# KiCad board keyboard0 - SK6812.kicad_pcb (continued)
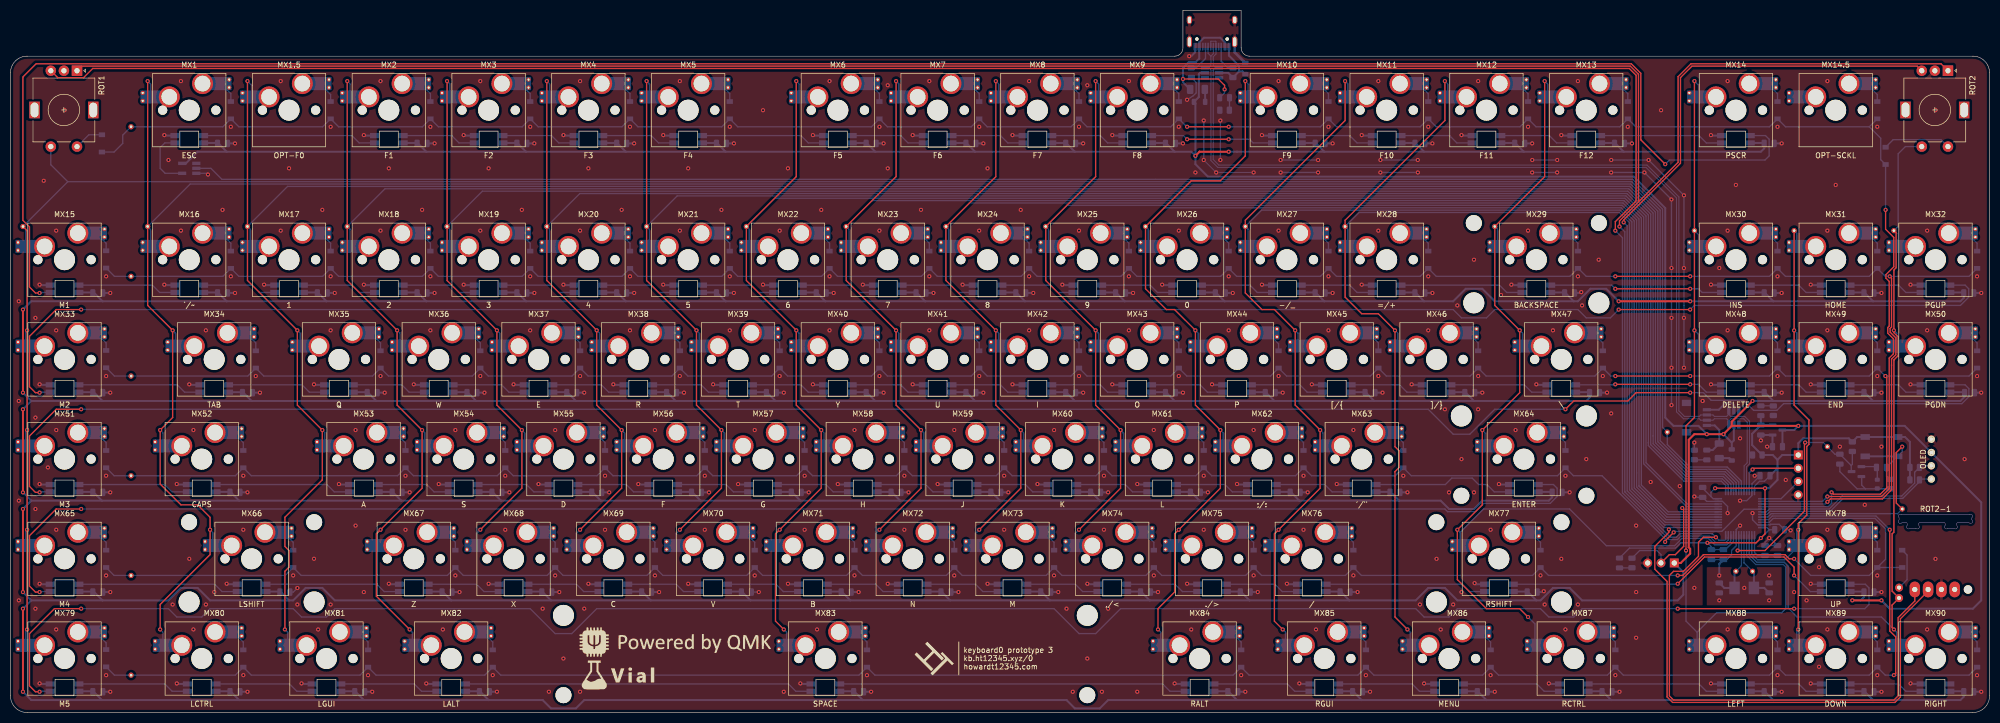
[diagram p0: board, top side]
## Routing (per net, layer and track width the routed paths; a pad name or vN(x,y) marks a point on that pad's centre or on a via; arc(x,y) is an arc through that point) (continued)
GND: length 577
  Bottom w0.2: v1(237.32,103.18) v1(230.17,103.18) v1(227.79,105.56)
  Bottom w0.25: v1(249.62,105.56) v1(242.48,105.56) ; v1(268.67,105.56) v1(261.52,105.56) ; v1(268.67,103.18) v1(261.52,103.18) ; LC70.1 v1(142.87,23.02) ; 353.4,45.08 353.4,43.45 354.11,42.74 ; v1(305.57,105.56) v1(312.72,105.56) v1(319.46,98.82) v1(319.46,84.93) v1(319.46,65.88) ; v1(305.57,103.18) v1(311.92,103.18) v1(317.08,98.02) v1(317.08,84.93) v1(317.08,65.88) v1(317.08,58.73) ; R8.1 v1(321.45,51.59) ; C4.2 349.23,46.03 352.52,42.74 354.11,42.74 ; U14.35 332.43,41.46 331.45,40.48 v1(330.18,40.48) ; v1(330.18,35.72) 329.43,34.97 U14.8 329.43,31.84 328.57,30.98 328.57,30.14 327.64,29.21 C23.1 C24.2 ; R13.2 226.34,120.4 226.34,118.39 225.81,117.86 v1(224.62,117.07) ; 354.11,42.74 R6.2 ; v1(343.67,24.6) 343.77,24.51 LED78.2 ; v1(37.7,102.78) 37.46,103.02 U2.3 ; LC66.1 54,23.02 v1(54.77,23.79) ; v1(290.49,103.18) v1(295.26,103.18) ; v1(321.45,41.27) 321.6,41.12 C19.2 323.8,40.35 U14.23 326.82,40.35 327.8,39.37 v1(327.8,38.1) ; v1(227.79,105.56) v1(227.79,113.11) ; v1(249.62,103.18) v1(242.48,103.18) ; v1(295.26,105.56) v1(290.49,105.56) ; 332.45,42.75 332.45,43.7 C20.2 v1(332.96,45.24) ; v1(332.56,38.1) 332.56,36.83 333.54,35.85 U14.47 335.9,35.85 336.02,35.97 337.64,35.97 C22.2 339.71,34.92 v1(339.82,34.81) ; v1(230.97,105.56) v1(230.97,113.1) ; 334.94,32.54 v1(335.74,33.34) 335.89,33.34 C21.2 C18.2 334.94,32.54
  Bottom w0.381: LC33.1 v1(19.05,61.11) ; v1(257.95,110.32) 258.05,110.23 LED11.2 ; LED5.2 124.7,110.23 v1(124.61,110.32) ; 234.54,122.49 235.21,122.49 FB5.1 ; 234.54,122.49 R12.2 232.45,122.23 U1.2 ; 234.54,122.49 234.54,123.58 232.6,125.52 USB1.12 ; LC8.1 v1(204.77,108.74) ; LC16.1 v1(42.86,80.16) ; LC44.1 v1(242.87,61.11) ; LC27.1 v1(252.4,80.16) ; LED73.2 186.61,24.51 v1(186.52,24.6) ; LC6.1 v1(166.68,108.74) ; LED40.2 153.28,62.61 v1(153.18,62.7) ; LED64.2 284.24,43.56 v1(284.14,43.65) ; v1(234.14,43.65) 234.24,43.56 LED62.2 ; LED58.2 158.04,43.56 v1(157.95,43.65) ; v1(362.72,81.75) 362.81,81.66 LED32.2 ; LC2.1 v1(80.96,108.74) ; LC54.1 v1(95.24,42.07) ; C23.1 326.21,28.42 v1(326.21,26.19) ; LED50.2 362.81,62.61 v1(362.72,62.7) ; LC1.1 v1(42.86,108.74) ; v1(96.04,62.7) 96.13,62.61 LED37.2 ; LC26.1 v1(233.35,80.16) ; LC82.1 v1(92.86,3.97) ; LC39.1 v1(147.63,61.11) ; LED88.2 324.72,5.46 v1(324.62,5.56) ; v1(334.15,51.99) C44.2 U12.1 ; LED70.2 129.47,24.51 v1(129.37,24.6) ; LED76.2 243.76,24.51 v1(243.67,24.6) ; LED79.2 5.65,5.46 v1(5.56,5.56) ; LC52.1 v1(45.24,42.07) ; LED16.2 29.46,81.66 v1(29.37,81.75) ; LED72.2 167.56,24.51 v1(167.47,24.6) ; LC50.1 v1(376.21,61.11) ; LED56.2 119.94,43.56 v1(119.85,43.65) ; LED85.2 246.14,5.46 v1(246.05,5.56) ; LC71.1 v1(161.91,23.02) ; LED27.2 239,81.66 v1(238.9,81.75) ; v1(115.09,62.7) 115.18,62.61 LED38.2 ; LC55.1 v1(114.29,42.07) ; v1(55.56,5.56) 55.65,5.46 LED81.2 ; LED17.2 48.51,81.66 v1(48.42,81.75) ; LC5.1 v1(138.1,108.74) ; LC7.1 v1(185.73,108.74) ; LC60.1 v1(209.54,42.07) ; LC23.1 v1(176.2,80.16) ; v1(248.43,62.7) 248.52,62.61 LED45.2 ; LED24.2 181.85,81.66 v1(181.76,81.75) ; v1(277,110.32) 277.1,110.23 LED12.2 ; v1(177,43.65) 177.09,43.56 LED59.2 ; v1(172.23,110.32) 172.33,110.23 LED7.2 ; LED41.2 172.33,62.61 v1(172.23,62.7) ; LC59.1 v1(190.49,42.07) ; v1(76.99,62.7) 77.08,62.61 LED36.2 ; LC36.1 v1(90.48,61.11) ; LC22.1 v1(157.15,80.16) ; LC78.1 v1(357.16,23.02) ; v1(343.67,62.7) 343.77,62.61 LED49.2 ; LED8.2 191.38,110.23 v1(191.28,110.32) ; v1(72.23,24.6) 72.32,24.51 LED67.2 ; LC62.1 v1(247.63,42.07) ; v1(222.24,5.56) 222.33,5.46 LED84.2 ; v1(343.67,5.56) 343.77,5.46 LED89.2 ; v1(124.61,81.75) 124.7,81.66 LED21.2 ; LC72.1 v1(180.96,23.02) ; LC14.1 v1(338.12,108.74) ; v1(210.33,110.32) 210.42,110.23 LED9.2 ; J2.4 326.12,57.85 327.4,59.13 328.59,59.13 328.99,58.73 U3.2 ; LC83.1 v1(164.3,3.97) ; LC45.1 v1(261.92,61.11) ; LC74.1 v1(219.06,23.02) ; LC29.1 299.7,80.16 v1(299.86,80.33) ; v1(110.32,24.6) 110.42,24.51 LED69.2 ; LED44.2 229.47,62.61 v1(229.38,62.7) ; LC32.1 v1(376.21,80.16) ; LED65.2 5.65,24.51 v1(5.56,24.6) ; v1(362.72,5.56) 362.81,5.46 LED90.2 ; LED57.2 138.99,43.56 v1(138.9,43.65) ; v1(29.37,110.32) 29.46,110.23 LED1.2 ; v1(267.48,62.7) 267.57,62.61 LED46.2 ; v1(5.56,62.7) 5.65,62.61 LED33.2 ; LED83.2 150.9,5.46 v1(150.8,5.56) ; LC49.1 v1(357.16,61.11) ; LED86.2 269.95,5.46 v1(269.86,5.56) ; v1(41.27,24.6) 41.37,24.51 LED66.2 ; LED42.2 191.38,62.61 v1(191.28,62.7) ; LED55.2 100.89,43.56 v1(100.8,43.65) ; v1(292.71,23.18) 292.55,23.02 LC77.1 ; LED77.2 279.71,24.51 v1(279.5,24.72) ; LC85.1 v1(259.54,3.97) ; LED60.2 196.14,43.56 v1(196.04,43.65) ; LED63.2 253.28,43.56 v1(253.19,43.65) ; v1(324.62,110.32) 324.72,110.23 LED14.2 ; LED20.2 105.66,81.66 v1(105.56,81.75) ; LC17.1 v1(61.91,80.16) ; v1(31.75,43.65) 31.84,43.56 LED52.2 ; LC42.1 v1(204.77,61.11) ; v1(162.71,81.75) 162.8,81.66 LED23.2 ; v1(86.51,81.75) 86.61,81.66 LED19.2 ; LED6.2 153.28,110.23 v1(153.18,110.32) ; LED28.2 258.05,81.66 v1(257.95,81.75) ; LED68.2 91.37,24.51 v1(91.28,24.6) ; LC28.1 v1(271.45,80.16) ; LC51.1 v1(19.05,42.07) ; v1(224.62,24.6) 224.71,24.51 LED75.2 ; v1(105.56,110.32) 105.66,110.23 LED4.2 ; LC47.1 v1(304.78,61.11) ; LED47.2 291.38,62.61 v1(291.29,62.7) ; LC37.1 v1(109.53,61.11) ; LED34.2 34.22,62.61 v1(34.13,62.7) ; LED10.2 239,110.23 v1(238.9,110.32) ; LED43.2 210.42,62.61 v1(210.33,62.7) ; LC19.1 v1(100.01,80.16) ; LC13.1 v1(309.54,108.74) ; LC76.1 v1(257.16,23.02) ; LC56.1 v1(133.34,42.07) ; LED2.2 67.56,110.23 v1(67.46,110.32) ; LC68.1 v1(104.77,23.02) ; v1(225.01,125.4) 225.41,125.4 226.15,126.15 USB1.1 ; LC21.1 v1(138.1,80.16) ; v1(335.34,50.8) C43.2 336.37,53.01 ; LC73.1 v1(200.01,23.02) ; LED39.2 134.23,62.61 v1(134.14,62.7) ; v1(205.57,24.6) 205.66,24.51 LED74.2 ; LC87.1 v1(307.16,3.97) ; v1(324.62,81.75) 324.72,81.66 LED30.2 ; LC84.1 v1(235.73,3.97) ; LC20.1 v1(119.05,80.16) ; LC89.1 v1(357.16,3.97) ; LC4.1 v1(119.05,108.74) ; LC40.1 v1(166.68,61.11) ; LED31.2 343.77,81.66 v1(343.67,81.75) ; LC24.1 v1(195.25,80.16) ; LC3.1 v1(100.01,108.74) ; LC75.1 v1(238.11,23.02) ; LC31.1 v1(357.16,80.16) ; v1(143.66,81.75) 143.75,81.66 LED22.2 ; LC61.1 v1(228.59,42.07) ; LC53.1 v1(76.2,42.07) ; LC41.1 v1(185.73,61.11) ; LED82.2 79.46,5.46 v1(79.37,5.56) ; v1(5.56,43.65) 5.65,43.56 LED51.2 ; v1(219.85,81.75) 219.95,81.66 LED26.2 ; v1(86.51,110.32) 86.61,110.23 LED3.2 ; LC63.1 v1(266.68,42.07) ; v1(81.75,43.65) 81.84,43.56 LED54.2 ; LED29.2 286.62,81.66 v1(286.53,81.75) ; LC38.1 v1(128.58,61.11) ; LED61.2 215.19,43.56 v1(215.09,43.65) ; LC30.1 v1(338.12,80.16) ; LC67.1 v1(85.72,23.02) ; LED15.2 5.65,81.66 v1(5.56,81.75) ; LC81.1 v1(69.05,3.97) ; v1(324.62,62.7) 324.72,62.61 LED48.2 ; LC9.1 v1(223.82,108.74) ; LC48.1 v1(338.12,61.11) ; v1(31.75,5.56) 31.84,5.46 LED80.2 ; v1(200.81,81.75) 200.9,81.66 LED25.2 ; v1(57.94,62.7) 58.03,62.61 LED35.2 ; LC57.1 v1(152.39,42.07) ; LC90.1 v1(376.21,3.97) ; LED87.2 293.76,5.46 v1(293.67,5.56) ; LC58.1 v1(171.44,42.07) ; LC35.1 v1(71.43,61.11) ; LC34.1 v1(47.62,61.11) ; LC46.1 v1(280.97,61.11) ; v1(62.7,43.65) 62.8,43.56 LED53.2 ; LED71.2 148.52,24.51 v1(148.42,24.6) ; LC11.1 v1(271.45,108.74) ; LED13.2 296.14,110.23 v1(296.05,110.32) ; LC86.1 v1(283.35,3.97) ; LC80.1 v1(45.24,3.97) ; LC15.1 v1(19.05,80.16) ; v1(67.46,81.75) 67.56,81.66 LED18.2 ; LC65.1 v1(19.05,23.02) ; LC88.1 v1(338.12,3.97) ; LC18.1 v1(80.96,80.16) ; LC69.1 v1(123.82,23.02) ; LC25.1 v1(214.3,80.16) ; LC12.1 v1(290.49,108.74) ; LC64.1 v1(297.64,42.07) ; LC43.1 v1(223.82,61.11) ; LC79.1 v1(19.05,3.97) ; LC10.1 v1(252.4,108.74)
  vias: v1(1.59,78.58) v1(1.59,59.53) v1(1.59,40.48) v1(1.59,21.43) v1(4.76,75.4) v1(4.76,56.35) v1(4.76,38.89) v1(4.76,19.84) v1(6.35,101.59) v1(7.14,46.83) v1(8.73,92.07) v1(8.73,73.02) v1(8.73,53.97) v1(8.73,34.92) v1(8.73,15.87) v1(10.32,115.09) v1(18.26,83.34) v1(18.26,64.29) v1(18.26,45.24) v1(18.26,26.19) v1(18.26,7.14) v1(30.16,105.56) v1(30.95,20.64) v1(32.54,120.64) v1(32.54,92.07) v1(34.13,29.37) v1(34.92,53.97) v1(34.92,15.87) v1(37.3,73.02) v1(37.3,20.64) v1(38.89,23.02) v1(40.48,96.04) v1(42.07,111.91) v1(42.07,83.34) v1(44.45,45.24) v1(44.45,34.92) v1(44.45,7.14) v1(46.83,64.29) v1(51.59,120.64) v1(51.59,92.07) v1(53.18,103.97) v1(53.97,26.19) v1(54.77,20.64) v1(57.94,29.37) v1(58.73,15.87) v1(59.53,96.04) v1(61.11,111.91) v1(61.11,83.34) v1(61.11,73.02) v1(61.11,20.64) v1(65.88,53.97) v1(65.88,35.72) v1(67.46,23.02) v1(68.26,7.14) v1(70.64,120.64) v1(70.64,92.07) v1(70.64,64.29) v1(72.23,103.97) v1(75.4,45.24) v1(75.4,34.92) v1(78.58,96.04) v1(80.16,111.91) v1(80.16,83.34) v1(80.16,73.02) v1(82.54,15.87) v1(84.93,53.97) v1(84.93,26.19) v1(89.69,120.64) v1(89.69,92.07) v1(89.69,64.29) v1(91.28,103.97) v1(92.07,7.14) v1(94.45,45.24) v1(94.45,34.92) v1(97.63,96.04) v1(99.21,111.91) v1(99.21,83.34) v1(99.21,73.02) v1(101.59,19.84) v1(102.78,3.97) v1(103.97,53.97) v1(103.97,26.19) v1(105.56,10.32) v1(108.74,120.64) v1(108.74,92.07) v1(108.74,64.29) v1(108.74,3.97) v1(109.53,19.84) v1(110.32,103.97) v1(113.5,45.24) v1(113.5,34.92) v1(116.67,96.04) v1(118.26,111.91) v1(118.26,83.34) v1(118.26,73.02) v1(123.02,53.97) v1(123.02,26.19) v1(127.79,120.64) v1(127.79,92.07) v1(127.79,64.29) v1(129.37,103.97) v1(132.55,45.24) v1(132.55,34.92) v1(135.72,96.04) v1(137.31,111.91) v1(137.31,83.34) v1(137.31,73.02) v1(142.07,53.97) v1(142.07,26.19) v1(143.66,115.09) v1(146.83,92.07) v1(146.83,64.29) v1(147.63,3.97) v1(148.42,103.97) v1(151.6,45.24) v1(151.6,34.92) v1(153.98,15.87) v1(154.77,96.04) v1(156.36,120.64) v1(156.36,83.34) v1(156.36,73.02) v1(161.12,53.97) v1(161.12,26.19) v1(163.5,7.14) v1(165.88,111.91) v1(165.88,92.07) v1(165.88,64.29) v1(167.47,119.85) v1(167.47,103.97) v1(170.65,45.24) v1(170.65,34.92) v1(173.82,96.04) v1(175.41,120.64) v1(175.41,83.34) v1(175.41,73.02) v1(180.17,53.97) v1(180.17,26.19) v1(184.93,111.91) v1(184.93,92.07) v1(184.93,64.29) v1(186.52,103.97) v1(189.69,45.24) v1(189.69,34.92) v1(192.87,96.04) v1(194.46,120.64) v1(194.46,83.34) v1(194.46,73.02) v1(199.22,53.97) v1(199.22,26.19) v1(201.6,19.84) v1(202.79,3.97) v1(203.98,111.91) v1(203.98,92.07) v1(203.98,64.29) v1(205.57,119.85) v1(205.57,10.32) v1(208.35,3.97) v1(208.74,45.24) v1(208.74,34.92) v1(209.54,19.84) v1(213.51,120.64) v1(213.51,83.34) v1(213.51,73.02) v1(215.09,3.97) v1(218.27,53.97) v1(218.27,26.19) v1(223.03,111.91) v1(223.03,92.07) v1(223.03,64.29) v1(225.41,15.87) v1(226.2,103.18) v1(227.79,45.24) v1(227.79,34.92) v1(232.55,83.34) v1(232.55,73.02) v1(234.94,7.14) v1(237.32,53.97) v1(237.32,26.19) v1(242.08,120.64) v1(242.08,92.07) v1(242.08,64.29) v1(246.84,45.24) v1(246.84,34.92) v1(249.22,15.87) v1(251.6,111.91) v1(251.6,83.34) v1(251.6,73.02) v1(256.37,53.97) v1(256.37,26.19) v1(258.75,7.14) v1(261.13,120.64) v1(261.13,92.07) v1(261.13,64.29) v1(265.89,45.24) v1(269.06,20.64) v1(270.65,111.91) v1(270.65,83.34) v1(270.65,73.02) v1(272.24,29.37) v1(273.03,15.87) v1(273.83,57.94) v1(274.62,42.07) v1(275.41,20.64) v1(276.21,77.78) v1(277,48.42) v1(277,23.02) v1(279.38,86.51) v1(279.38,42.07) v1(280.18,120.64) v1(280.18,64.29) v1(280.18,57.94) v1(282.56,34.92) v1(282.56,7.14) v1(284.54,79.77) v1(287.32,53.97) v1(289.7,111.91) v1(289.7,92.07) v1(292.08,26.19) v1(292.88,20.64) v1(294.46,73.02) v1(296.05,29.37) v1(296.84,45.24) v1(296.84,15.87) v1(299.22,120.64) v1(299.22,83.34) v1(299.22,20.64) v1(300.02,77.78) v1(300.81,48.42) v1(303.19,86.51) v1(303.99,64.29) v1(305.57,57.15) v1(306.37,7.14) v1(308.75,111.91) v1(310.34,35.72) v1(310.34,23.02) v1(310.34,14.29) v1(313.11,44.05) v1(315.1,115.09) v1(317.08,75.4) v1(318.67,43.26) v1(319.46,75.4) v1(321.45,23.81) v1(323.04,59.53) v1(326.21,84.93) v1(326.21,21.43) v1(327.8,120.64) v1(327.8,92.07) v1(327.8,73.02) v1(327.8,15.87) v1(329.39,100.8) v1(330.18,52.38) v1(330.97,23.81) v1(335.74,26.19) v1(335.74,21.43) v1(337.32,111.91) v1(337.32,83.34) v1(337.32,64.29) v1(337.32,7.14) v1(338.91,44.45) v1(340.5,23.02) v1(342.88,21.43) v1(345.26,27.78) v1(345.26,8.73) v1(346.85,120.64) v1(346.85,92.07) v1(346.85,73.02) v1(346.85,34.92) v1(346.85,15.87) v1(348.43,100.8) v1(349.23,50.8) v1(353.99,39.69) v1(356.37,111.91) v1(356.37,64.29) v1(356.37,26.19) v1(356.37,7.14) v1(357.16,50.8) v1(365.9,92.07) v1(365.9,73.02) v1(365.9,15.87) v1(367.48,115.09) v1(367.48,29.37) v1(373.04,48.42) v1(375.42,83.34) v1(375.42,64.29) v1(375.42,7.14)
VBUS: length 37.5
  Top w0.25: v1(223.82,121.04) 230.57,121.04 231.78,119.83 v1(231.78,119.05)
  Bottom w0.25: v1(231.78,119.05) 231.78,118.4 D2.2
  Bottom w0.381: USB1.11 231.83,128.04 230.94,128.92 227.81,128.92 226.93,128.04 USB1.2 226.93,124.94 226.27,124.28 224.95,124.28 223.82,123.16 v1(223.82,121.04) 223.82,120.43 F1.1 ; D5.2 324.95,50.15 F8.1 326.21,53.97 325.33,54.85 J2.1
B2: length 28.1
  Top w0.25: J3.2 316.67,30.16 317.82,30.16 319.41,31.75 319.41,38.8 v1(319.14,39.07)
  Bottom w0.25: U14.20 319.36,38.85 v1(319.14,39.07) ; J3.2 315.08,30.18 314.31,30.95 311.01,30.95 R2.1
BKL_3V3: length 347.5
  Bottom w0.25: U14.31 330.43,44.2 327.72,46.91 320.57,46.91 316.29,51.19 BKL1.1 315.38,54.49 315.38,96.17 309.68,101.87 218.62,101.87 40.36,101.87 38.26,103.97 U2.2
BKL_5V: length 11.7
  Bottom w0.25: U2.4 29.52,103.02 28.57,103.97 28.57,107.94 29.46,108.83 LED1.3
BOOT0: length 54.2
  Top w0.25: BOOT0.1 360,40.03 360,49.66 v1(361.13,50.8)
  Bottom w0.25: U14.44 335.49,37.35 336.13,37.99 336.5,37.99 336.5,37.99 360.23,37.99 BOOT0.1 ; 360.23,48.95 C2.2 358.12,45.2 R6.1 ; v1(361.13,50.8) 361.13,49.82 SW1.1
  Bottom w0.381: SW1.1 SW1.1
COL0: length 484.4
  Top w0.25: v1(3.17,15.87) v1(3.17,34.92) v1(3.17,53.97) v1(3.17,73.02) 3.17,92.07 COL0.1
  Bottom w0.25: v1(3.17,73.02) 2.91,72.75 2.91,70 ; 10.94,101.42 7.7,104.66 ROT1.S1 ; 10.94,101.42 COL0.1 2.91,92.34 2.91,89.05 ; 10.94,101.42 309.49,101.42 314.93,95.98 314.93,51.92 320.39,46.46 327.53,46.46 329.93,44.06 U14.30 ; 2.91,12.86 2.91,15.61 v1(3.17,15.87) ; v1(3.17,53.97) 2.91,53.7 2.91,50.96 ; 2.91,31.91 2.91,34.66 v1(3.17,34.92)
COL1: length 495.4
  Top w0.25: v1(28.57,15.87) 28.57,20.64 38.1,30.16 v1(38.1,34.92) 38.1,37.3 35.72,39.69 32.54,39.69 28.57,43.65 v1(28.57,53.97) 30.95,56.35 v1(30.95,73.02) 26.19,77.78 COL1.1 v1(26.19,120.64)
  Bottom w0.25: 26.72,89.05 26.72,92.34 COL1.1 34.3,100.97 309.3,100.97 314.48,95.8 314.48,51.73 320.2,46.01 327.34,46.01 329.43,43.92 U14.29 ; 38.62,31.91 38.62,34.4 v1(38.1,34.92) ; 26.72,117.63 26.72,120.12 v1(26.19,120.64) ; 29.1,12.86 29.1,15.35 v1(28.57,15.87) ; 29.1,50.96 29.1,53.44 v1(28.57,53.97) ; 31.48,70 31.48,72.49 v1(30.95,73.02)
COL2: length 469.1
  Top w0.25: v1(45.24,120.64) COL2.1 45.24,82.54 v1(54.77,73.02) 54.77,58.73 v1(59.53,53.97) 59.53,44.45 52.38,37.3 52.38,31.75 53.18,30.95 53.18,27.78 52.38,26.99 v1(52.38,15.87)
  Bottom w0.25: 60,50.96 60,53.5 v1(59.53,53.97) ; MX1.5.1 46.09,119.79 v1(45.24,120.64) ; 52.91,12.86 52.91,15.35 v1(52.38,15.87) ; v1(54.77,73.02) 55.29,72.49 55.29,70 ; 45.77,89.05 45.77,92.34 COL2.1 52.9,100.52 309.12,100.52 314.03,95.61 314.03,51.55 320.02,45.56 327.16,45.56 328.93,43.79 U14.28
COL3: length 454.9
  Top w0.25: v1(76.2,15.87) 69.85,22.22 69.85,34.13 v1(70.64,34.92) 78.58,42.86 v1(78.58,53.97) 73.81,58.73 v1(73.81,73.02) 64.29,82.54 COL3.1 v1(64.29,120.64)
  Bottom w0.25: 79.1,50.96 79.1,53.44 v1(78.58,53.97) ; 64.82,117.63 64.82,120.12 v1(64.29,120.64) ; U14.27 328.43,43.65 326.97,45.11 319.83,45.11 313.58,51.36 313.58,52.85 313.58,52.85 313.58,95.43 308.93,100.07 71.5,100.07 COL3.1 64.82,92.34 64.82,89.05 ; v1(70.64,34.92) 69.9,34.19 MX67.1 ; v1(76.2,15.87) 76.72,15.35 76.72,12.86 ; 74.34,70 74.34,72.49 v1(73.81,73.02)
COL4: length 409.7
  Top w0.25: v1(83.34,120.64) COL4.1 83.34,82.54 v1(92.86,73.02) 92.86,58.73 v1(97.63,53.97) 97.63,42.86 v1(89.69,34.92)
  Bottom w0.25: 98.15,50.96 98.15,53.44 v1(97.63,53.97) ; 83.87,89.05 83.87,92.34 COL4.1 90.08,99.61 308.76,99.61 313.13,95.24 313.13,51.18 319.65,44.66 326.78,44.66 327.93,43.52 U14.26 ; 93.39,70 93.39,72.49 v1(92.86,73.02) ; v1(89.69,34.92) 88.95,34.19 MX68.1 ; v1(83.34,120.64) 83.87,120.12 83.87,117.63
COL5: length 389.7
  Top w0.25: v1(108.74,34.92) 116.67,42.86 v1(116.67,53.97) 111.91,58.73 v1(111.91,73.02) 102.39,82.54 COL5.1 v1(102.39,120.64)
  Bottom w0.25: 102.91,89.05 102.91,92.34 COL5.1 108.68,99.16 308.57,99.16 312.68,95.05 312.68,51.55 312.68,50.99 319.46,44.21 326.6,44.21 327.43,43.38 U14.25 ; 117.2,50.96 117.2,53.44 v1(116.67,53.97) ; v1(111.91,73.02) 112.44,72.49 112.44,70 ; 102.91,117.63 102.91,120.12 v1(102.39,120.64) ; MX69.1 108,34.19 v1(108.74,34.92)
COL6: length 371
  Top w0.25: v1(127.79,34.92) 135.72,42.86 v1(135.72,53.97) 130.96,58.73 v1(130.96,73.02) 121.44,82.54 COL6.1 v1(121.44,120.64)
  Bottom w0.25: 131.49,70 131.49,72.49 v1(130.96,73.02) ; 136.25,50.96 136.25,53.44 v1(135.72,53.97) ; 121.96,89.05 121.96,92.34 COL6.1 127.28,98.71 308.38,98.71 312.23,94.87 312.23,47.72 320.1,39.85 U14.22 ; v1(127.79,34.92) 127.05,34.19 MX70.1 ; 121.96,117.63 121.96,120.12 v1(121.44,120.64)
COL7: length 379
  Top w0.25: v1(147.63,15.87) 146.04,17.46 146.04,34.13 v1(146.83,34.92) 154.77,42.86 v1(154.77,53.97) 150.01,58.73 v1(150.01,73.02) 140.48,82.54 COL7.1 150.01,102.39 v1(150.01,120.64)
  Bottom w0.25: 148.16,12.86 148.16,15.35 v1(147.63,15.87) ; v1(150.01,120.64) 150.54,120.12 150.54,117.63 ; U14.21 319.96,39.35 311.78,47.53 311.78,94.68 308.2,98.26 145.88,98.26 COL7.1 141.01,92.34 141.01,89.05 ; v1(154.77,53.97) 155.3,53.44 155.3,50.96 ; MX71.1 146.1,34.19 v1(146.83,34.92) ; v1(150.01,73.02) 150.54,72.49 150.54,70
COL8: length 339
  Top w0.25: v1(165.88,34.92) 173.82,42.86 v1(173.82,53.97) 169.06,58.73 v1(169.06,73.02) 159.53,82.54 COL8.1 169.06,102.39 v1(169.06,120.64)
  Bottom w0.25: 160.06,89.05 160.06,92.34 COL8.1 164.48,97.81 308.01,97.81 311.33,94.49 311.33,43.47 316.45,38.35 U14.19 ; 174.35,50.96 174.35,53.44 v1(173.82,53.97) ; 169.59,117.63 169.59,120.12 v1(169.06,120.64) ; v1(165.88,34.92) 165.15,34.19 MX72.1 ; v1(169.06,73.02) 169.59,72.49 169.59,70
COL9: length 319.8
  Top w0.25: v1(184.93,34.92) 192.87,42.86 v1(192.87,53.97) 188.11,58.73 v1(188.11,73.02) 178.58,82.54 COL9.1 188.11,102.39 v1(188.11,120.64)
  Bottom w0.25: 188.63,70 188.63,72.49 v1(188.11,73.02) ; 193.4,50.96 193.4,53.44 v1(192.87,53.97) ; 179.11,89.05 179.11,92.34 COL9.1 183.08,97.36 307.82,97.36 310.88,94.31 310.88,43.28 311.14,43.02 316.31,37.85 U14.18 ; MX73.1 184.2,34.19 v1(184.93,34.92) ; v1(188.11,120.64) 188.63,120.12 188.63,117.63
COL10: length 300.5
  Top w0.25: v1(203.98,34.92) 211.92,42.86 v1(211.92,53.97) 207.16,58.73 v1(207.16,73.02) 197.63,82.54 COL10.1 207.16,102.39 v1(207.16,120.64)
  Bottom w0.25: v1(207.16,120.64) 207.68,120.12 207.68,117.63 ; v1(207.16,73.02) 207.68,72.49 207.68,70 ; v1(203.98,34.92) 203.25,34.19 MX74.1 ; U14.17 316.18,37.35 310.43,43.1 310.43,45.77 310.43,45.77 310.43,94.12 307.64,96.91 201.68,96.91 COL10.1 198.16,92.34 198.16,89.05 ; 212.44,50.96 212.44,53.44 v1(211.92,53.97)
COL11: length 313.4
  Top w0.25: v1(235.73,120.64) 235.73,106.36 230.97,101.59 225.41,101.59 COL11.1 216.68,80.96 220.65,76.99 222.24,76.99 v1(226.2,73.02) 226.2,58.73 v1(230.97,53.97) 230.97,42.86 v1(223.03,34.92) 222.24,34.13 222.24,23.02 219.06,19.84 v1(219.06,15.87)
  Bottom w0.25: 236.26,117.63 236.26,120.12 v1(235.73,120.64) ; v1(230.97,53.97) 231.49,53.44 231.49,50.96 ; 217.21,89.05 217.21,92.34 COL11.1 220.25,96.43 307.48,96.43 309.98,93.93 309.98,42.91 316.04,36.85 U14.16 ; MX75.1 222.29,34.19 v1(223.03,34.92) ; v1(219.06,15.87) 219.59,15.35 219.59,12.86 ; 226.73,70 226.73,72.49 v1(226.2,73.02)
COL12: length 290.7
  Top w0.25: v1(254.78,120.64) 254.78,113.1 235.73,94.05 COL12.1 235.73,80.16 238.9,76.99 241.28,76.99 v1(245.25,73.02) 245.25,58.73 v1(250.02,53.97) 250.02,42.86 v1(242.08,34.92) 241.28,34.13 241.28,17.46 v1(242.87,15.87)
  Bottom w0.25: 236.26,89.05 236.26,92.34 COL12.1 238.85,95.98 307.29,95.98 309.53,93.75 309.53,42.73 315.91,36.35 U14.15 ; v1(242.87,15.87) 243.4,15.35 243.4,12.86 ; 250.54,50.96 250.54,53.44 v1(250.02,53.97) ; MX76.1 241.34,34.19 v1(242.08,34.92) ; 245.78,70 245.78,72.49 v1(245.25,73.02) ; 255.3,117.63 255.3,120.12 v1(254.78,120.64)
COL13: length 260.8
  Top w0.25: v1(266.68,15.87) 264.3,18.26 264.3,46.03 265.1,46.83 265.1,50 264.3,50.8 v1(264.3,73.02) 261.13,76.2 257.95,76.2 254.78,79.37 COL13.1 254.78,94.05 273.83,113.1 v1(273.83,120.64)
  Bottom w0.25: v1(273.83,120.64) 274.35,120.12 274.35,117.63 ; v1(266.68,15.87) 267.21,15.35 267.21,12.86 ; v1(264.3,73.02) 264.83,72.49 264.83,70 ; 255.3,89.05 255.3,92.34 COL13.1 257.45,95.53 307.1,95.53 309.08,93.56 309.08,42.54 315.77,35.85 U14.14
COL14: length 204.5
  Top w0.25: v1(292.88,120.64) 292.88,102.39 COL14.1 283.35,77.78 v1(288.11,73.02) 288.11,61.11 v1(280.97,53.97) 280.97,39.69 v1(276.21,34.92) 276.21,25.4 281.76,19.84 288.11,19.84 v1(289.7,18.26)
  Bottom w0.25: v1(280.97,53.97) 281.5,53.44 281.5,50.96 ; 288.64,70 288.64,72.49 v1(288.11,73.02) ; 283.88,89.05 283.88,92.34 COL14.1 ; 276.73,31.91 276.73,34.4 ; 276.73,34.4 281.23,38.89 297.64,38.89 304.66,31.87 317.68,31.87 319.08,33.27 323.76,33.27 323.76,33.27 324.13,33.27 325.36,32.04 327.66,32.04 328.43,32.81 U14.10 ; 276.73,34.4 v1(276.21,34.92) ; 291.02,12.86 291.02,16.93 v1(289.7,18.26) ; 293.4,117.63 293.4,120.12 v1(292.88,120.64)
COL15: length 158.5
  Top w0.25: v1(319.86,30.95) 319.86,54.77 321.47,56.37 v1(321.47,73.02) COL15.1 v1(321.47,120.64)
  Bottom w0.25: 321.98,12.86 321.98,15.35 ; 321.98,15.35 325.68,19.05 338.12,19.05 338.91,19.84 338.91,27.78 338.41,28.28 333.17,28.28 331.43,30.02 U14.4 ; 321.98,15.35 319.86,17.46 v1(319.86,30.95) ; MX48.1 322.3,72.19 v1(321.47,73.02) ; MX30.1 322.3,91.24 COL15.1 ; v1(321.47,120.64) 322.3,119.81 MX14.1
COL16: length 104.6
  Top w0.25: COL16.1 v1(340.5,73.02) 340.5,58.73 343.33,55.9 343.33,51.25 342.92,50.83 342.92,37.73 341.29,36.11 v1(341.29,34.92) v1(341.29,15.87)
  Bottom w0.25: 341.02,70 341.02,72.49 v1(340.5,73.02) ; COL16.1 341.02,91.54 341.02,89.05 ; U14.2 332.43,30.29 333.54,29.18 338.72,29.18 341.02,31.48 ; v1(341.29,34.92) 341.02,34.66 341.02,31.91 ; 341.02,12.86 341.02,15.61 v1(341.29,15.87)
COL17: length 150.4
  Top w0.25: v1(359.55,15.87) 359.2,16.22 359.2,20.54 ROT2-1.S1 359.2,23.2 359.2,34.13 359.55,34.47 359.55,67.36 360.36,68.17 360.36,71.77 359.55,72.58 v1(359.55,73.02) 359.55,84.55 359.97,84.97 359.97,91.67 359.57,92.07
  Bottom w0.25: 360.07,89.05 360.07,91.54 COL17.1 360.36,92.89 360.36,106.75 361.74,108.13 ROT2.S1 ; U14.3 331.93,30.16 333.36,28.73 338.6,28.73 339.36,27.97 339.36,19.96 341.06,18.26 357.16,18.26 v1(359.55,15.87) 360.07,15.35 360.07,12.86 ; 360.07,70 360.07,72.49 v1(359.55,73.02)
D+: length 188.6
  Bottom w0.2: U3.1 328.04,56.96 328.42,56.58 331.07,56.58 331.99,55.65 331.99,49.78 ; 230.03,123.18 229.6,122.75 229.6,105.66 230.66,104.6 312.41,104.6 318.5,98.51 318.5,57.64 319.56,56.58 322.4,56.58 322.68,56.85 J2.3 325,56.85 325.28,56.58 327.63,56.58 328.04,56.99 ; 230.03,123.18 229.6,123.61 229.6,125.29 230.13,125.81 USB1.8 230.13,128.21 230.08,128.26 229.18,128.26 229.13,128.21 USB1.6 ; 230.03,123.18 U1.1 ; 331.4,42.29 331.4,46.94 331.99,47.53 331.99,49.78 ; 331.99,49.78 R58.2
D-: length 186.8
  Bottom w0.2: USB1.5 228.63,125.93 229.15,125.4 ; 229.15,125.4 229.15,123.58 228.76,123.18 ; 229.15,125.4 229.63,125.88 USB1.7 ; 328.04,55.72 327.63,56.13 325.28,56.13 325,55.85 J2.2 322.68,55.85 322.4,56.13 319.37,56.13 318.05,57.45 318.05,98.33 312.23,104.15 230.48,104.15 229.15,105.47 229.15,122.78 228.76,123.18 U1.6 ; 330.95,42.29 330.95,47.13 331.54,47.72 331.54,55.47 330.88,56.13 328.42,56.13 328.04,55.75 U3.6
DOUT_1: length 14.1
  Bottom w0.25: LED11.3 257.07,108.83 255.67,110.23 LED10.1
DOUT_2: length 14.1
  Bottom w0.25: LED21.3 123.72,80.26 122.32,81.66 LED20.1
DOUT_3: length 14.1
  Bottom w0.25: LED30.1 341.38,81.66 342.78,80.26 LED31.3
DOUT_4: length 14.1
  Bottom w0.25: LED40.1 169.95,62.61 171.35,61.21 LED41.3
DOUT_5: length 399.6
  Top w0.25: v1(5.56,42.07) 4.76,42.07 3.62,43.2 3.62,52.83 8.73,57.94 v1(13.49,57.94) ; v1(320.65,61.11) 310.34,61.11 308.75,59.53 298.43,59.53 v1(296.84,57.94)
  Bottom w0.25: v1(320.65,61.11) 323.19,61.11 324.66,59.65 330.85,59.65 332.76,57.74 337.22,57.74 338.49,59.01 372.52,59.01 373.86,60.35 373.86,61.88 373.13,62.61 LED50.1 ; v1(5.56,42.07) 5.65,42.16 LED51.3 ; v1(13.49,57.94) 270.65,57.94 275.41,53.18 278.59,53.18 283.35,57.94 v1(296.84,57.94)
DOUT_6: length 14.1
  Bottom w0.25: LED61.3 214.21,42.16 212.81,43.56 LED60.1
DOUT_7: length 14.1
  Bottom w0.25: LED70.1 146.13,24.51 147.53,23.11 LED71.3
DOUT_8: length 18.9
  Bottom w0.25: LED81.3 54.67,4.06 53.27,5.46 LED80.1